# Allegro board balenaFin-PCB.brd (continued)
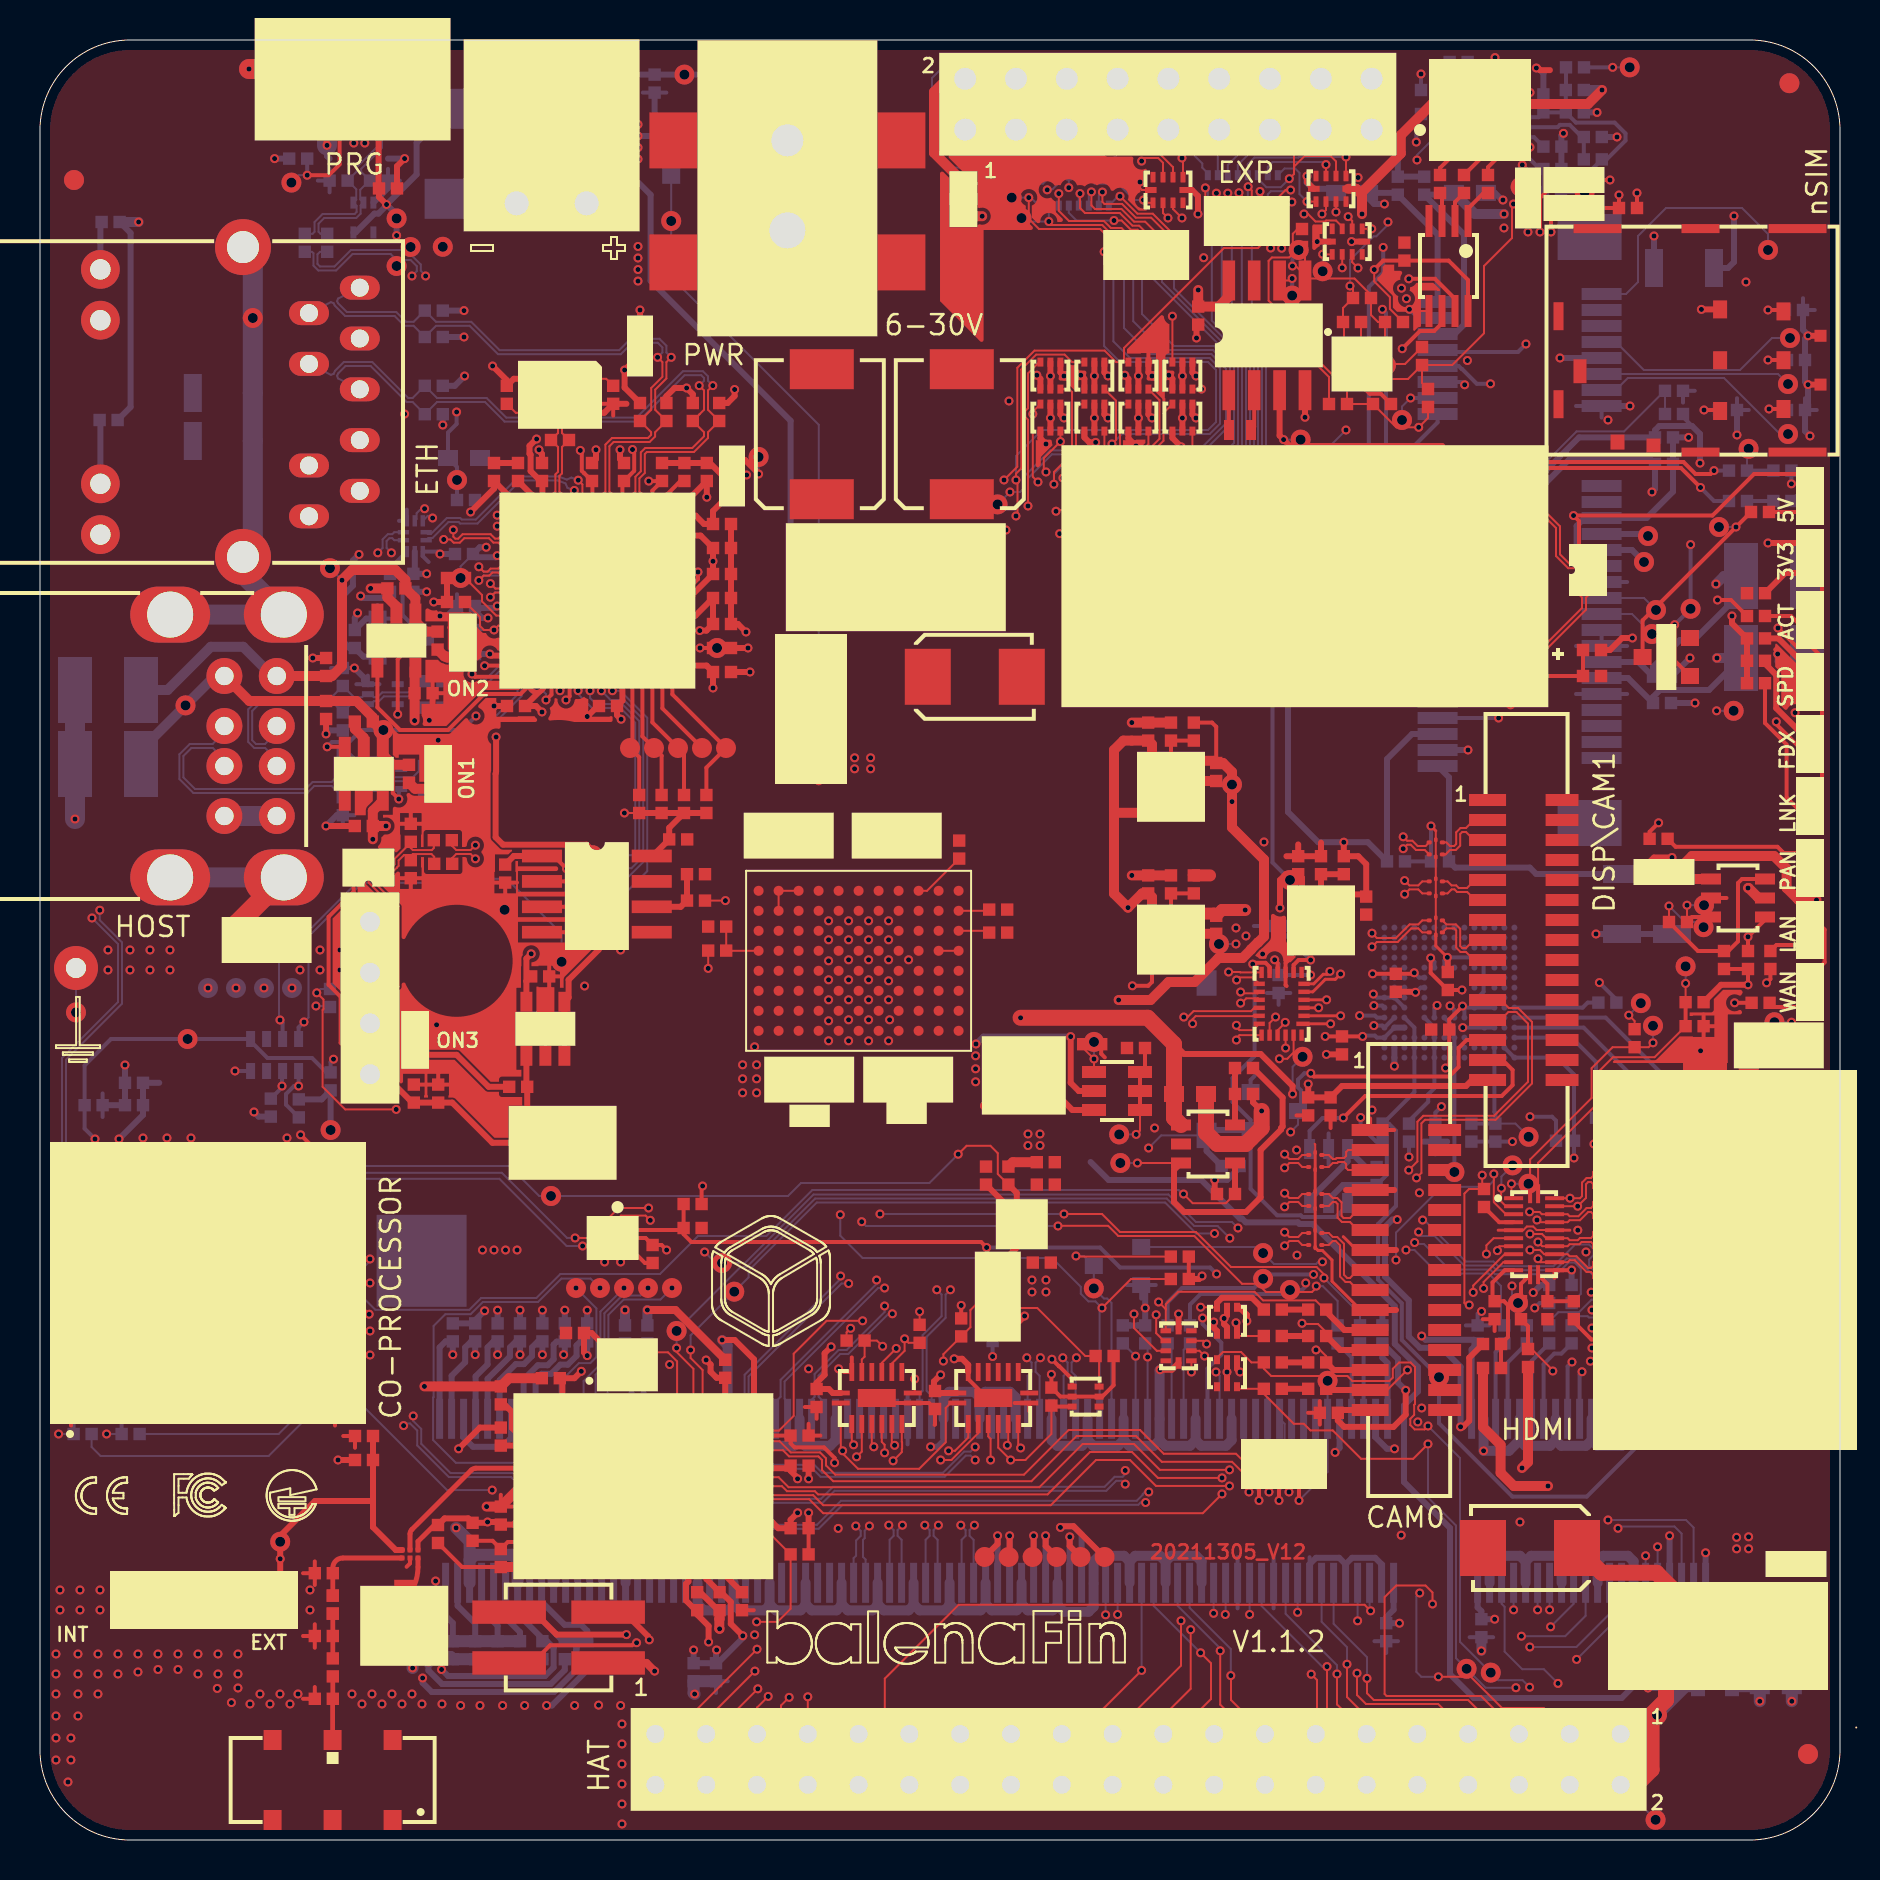
[diagram p0: board, top side]
## Routing (per net, layer and track width the routed paths; a pad name or vN(x,y) marks a point on that pad's centre or on a via; arc(x,y) is an arc through that point) (continued)
GPIO9: length 29.3
  TOP w0.1: v1(57.05,10.96) 57.05,8.72 J18.21
  INT1 w0.1: v1(74.88,11.51) 74.88,12.55 74.13,13.3 58.22,13.3 57.05,12.13 v1(57.05,10.96)
  BOTTOM w0.1: v1(74.88,11.51) J2.29
GPIO10: length 26.6
  TOP w0.1: v1(57.53,10.52) 57.53,7.56 56.17,6.2 J18.19
  INT1 w0.1: v1(57.53,10.52) 57.53,12.33 58.3,13.1 72.99,13.1 73.68,12.41 v1(73.68,11.51)
  BOTTOM w0.1: J2.33 v1(73.68,11.51)
GPIO11: length 33
  INT2 w0.1: v1(75.9,7.83) 75.9,7.22 75.38,6.7 52.49,6.7 J18.23
  BOTTOM w0.1: J2.35 73.08,11.81 73.23,11.66 73.23,9.42 74.11,8.54 75.19,8.54 v1(75.9,7.83)
GPIO12: length 33.2
  TOP w0.1: v1(66.53,11.46) 66.23,11.76 45.93,11.76 42.24,8.07 42.24,4.07 J18.32
  BOTTOM w0.1: v1(66.53,11.46) 66.48,11.51 J2.45
GPIO13: length 32.8
  TOP w0.1: v1(38.39,7.16) J18.33
  INT2 w0.1: v1(38.39,7.16) 41.17,9.94 64.44,9.94 65.45,10.96 v1(65.88,10.96)
  BOTTOM w0.1: J2.47 v1(65.88,10.96)
GPIO14: length 16.6
  TOP w0.1: J18.8 72.61,3.96 72.61,5.8 71.41,7 66.69,7 66.35,7.34 v1(66.35,8.08)
  BOTTOM w0.1: v1(66.35,8.08) 66.35,9.14 64.68,10.81 J2.51
GPIO15: length 12.6
  TOP w0.1: J18.10 67.62,4.01 67.62,5.78 66.85,6.55 65.95,6.55 65.35,7.15 v1(65.35,8.79)
  BOTTOM w0.1: J2.53 64.08,10.91 65.35,9.64 v1(65.35,8.79)
GPIO16: length 33.7
  TOP w0.1: J18.36 37.05,3.96 37.05,6.73 v1(37.46,7.13)
  INT2 w0.1: v1(62.88,11.39) 61.76,11.39 60.51,10.14 40.47,10.14 v1(37.46,7.13)
  BOTTOM w0.1: v1(62.88,11.39) J2.57
GPIO17: length 9.2
  TOP w0.1: J18.11 64.85,6.78 v1(64.85,8.3)
  BOTTOM w0.1: v1(64.85,8.3) 64.85,8.74 62.28,11.31 J2.59
GPIO18: length 12.4
  TOP w0.1: v1(64.35,8.67) 64.35,6.51 65.04,5.82 65.04,4.05 J18.12
  BOTTOM w0.1: J2.63 61.08,11.7 64.11,8.67 v1(64.35,8.67)
GPIO19: length 29.9
  TOP w0.1: J18.35 35.85,6.62 v1(36.41,7.18)
  INT2 w0.1: v1(36.41,7.18) 39.79,10.56 54.41,10.56 55.19,11.34 57.24,11.34 57.82,10.76 59.97,10.76 v1(60.48,11.28)
  BOTTOM w0.1: J2.65 v1(60.48,11.28)
GPIO20: length 32.9
  TOP w0.1: J18.38 34.51,3.96 34.51,6.18 v1(35.89,7.56)
  INT2 w0.1: v1(59.27,11.28) 58.95,10.96 57.9,10.96 57.33,11.54 55.11,11.54 54.33,10.76 39.09,10.76 v1(35.89,7.56)
  BOTTOM w0.1: J2.69 59.28,11.29 v1(59.27,11.28)
GPIO21: length 35.1
  TOP w0.1: J18.40 32.11,4.1 32.11,5.8 v1(35.85,9.54)
  INT2 w0.1: v1(35.85,9.54) 38.54,12.22 52.46,12.22 52.94,12.7 56.59,12.7 57.95,11.34 v1(58.68,11.34)
  BOTTOM w0.1: J2.71 v1(58.68,11.34)
GPIO22: length 9.1
  TOP w0.1: J18.15 59.55,7 59.55,8.21 v1(59.54,8.22)
  BOTTOM w0.1: J2.75 57.48,11.61 59.54,9.55 v1(59.54,8.22)
GPIO23: length 11.9
  TOP w0.1: J18.16 60,4.01 60,5.78 59.01,6.77 v1(59.01,9.46)
  BOTTOM w0.1: v1(59.01,9.46) 59.01,9.58 56.88,11.71 J2.77
GPIO24: length 12.3
  TOP w0.1: v1(58.03,9.36) 58.55,8.84 58.55,7.05 57.46,5.96 57.46,4.01 J18.18
  BOTTOM w0.1: J2.81 55.68,11.71 v1(58.03,9.36)
GPIO25: length 11.8
  TOP w0.1: J18.22 52.34,4.05 52.34,5.74 v1(55.08,8.48)
  BOTTOM w0.1: J2.83 v1(55.08,8.48)
GPIO26: length 25.6
  TOP w0.1: J18.37 33.31,6.01 v1(35.75,8.45)
  INT2 w0.1: v1(35.75,8.45) 39.2,11.9 53.29,11.9 53.88,11.31 v1(53.88,11.28)
  BOTTOM w0.1: v1(53.88,11.28) J2.87
GPIO27: length 16.3
  TOP w0.1: J18.13 63.85,5.36 63.85,8 v1(63.56,8.29)
  INT1 w0.1: v1(63.56,8.29) 61.71,10.14 54.3,10.14 53.28,11.16 v1(53.28,11.26)
  BOTTOM w0.1: J2.89 v1(53.28,11.26)
HDMI_CEC: length 76.2
  TOP w0.1: R6.1 79.73,40.95 v1(79.44,41.24)
  INT2 w0.1: v1(79.44,41.24) 79.44,37.14 76.78,34.48 76.54,34.48 76.33,34.26 76.33,34.03 71.79,29.49 71.79,28.09 70.2,26.5 70.2,18.2 65.1,13.1 52.78,13.1 52.3,12.62 32.08,12.62 29.14,15.57 v1(29.12,15.57)
  BOTTOM w0.1: J2.171 28.68,15.12 29.12,15.55 v1(29.12,15.57) ; v1(79.44,41.24) v2(80.04,41.84)
HDMI_CEC_CON: length 10.4
  TOP w0.1: J1.13 77.67,27.5 v1(77.56,27.39) ; U1.6 72.68,30.09 72.32,29.73 v1(72.32,29.3)
  INT2 w0.1: v1(77.56,27.39) 75.61,27.39 73.16,29.84 72.61,29.84 72.32,29.55 v1(72.32,29.3)
HDMI_CK+: length 49.4
  TOP w0.1: J1.10 77.75,29 77.65,28.9 77.65,28.7 77.55,28.6 77.41,28.6 76.82,29.19 76.48,29.19 76.38,29.29 U1.15 75.21,29.29 75,29.5 v1(74.5,29.5)
  INT1 w0.1: v1(74.5,29.5) 74.23,29.25 74.22,28.99 73.83,28.6 71.1,28.6 67.15,24.65 67.15,17.08 64.29,14.22 54.02,14.22 51.58,16.66 46.73,16.66 46.28,16.21 46.28,15.98 v1(46.04,15.74)
  BOTTOM w0.1: v1(46.04,15.74) 46.28,15.5 46.28,15.21 46.08,15.01 J2.113
HDMI_CK-: length 48.9
  TOP w0.1: v1(74.9,29.07) 74.9,28.99 75,28.89 U1.14 76.38,28.89 76.48,28.99 76.74,28.99 77.33,28.4 77.55,28.4 77.65,28.3 77.65,28.1 77.75,28 J1.12
  INT1 w0.1: v1(74.9,29.07) 74.63,28.82 74.35,28.83 74.34,28.83 73.91,28.4 71.18,28.4 67.35,24.57 67.35,17 64.37,14.02 53.94,14.02 51.5,16.46 46.82,16.46 46.48,16.12 46.48,15.98 v1(46.72,15.74)
  BOTTOM w0.1: v1(46.72,15.74) 46.48,15.5 46.48,15.21 46.68,15.01 J2.111
HDMI_D0+: length 51.6
  TOP w0.1: J1.7 77.75,30.5 77.65,30.4 77.65,30.2 77.55,30.1 77,30.1 76.89,29.99 76.48,29.99 76.38,30.09 U1.17 75.31,30.09 75.1,30.3 v1(74.5,30.3)
  INT1 w0.1: v1(74.5,30.3) 74.4,30.4 72,30.4 66.54,24.94 66.54,17.41 63.97,14.84 54.27,14.84 51.82,17.29 44.99,17.29 44.48,16.78 44.48,15.98 v1(44.24,15.74)
  BOTTOM w0.1: J2.119 44.28,15.01 44.48,15.21 44.48,15.5 v1(44.24,15.74)
HDMI_D0-: length 51.4
  TOP w0.1: v1(74.9,29.9) 75.11,29.69 U1.16 76.38,29.69 76.48,29.79 76.97,29.79 77.08,29.9 77.55,29.9 77.65,29.8 77.65,29.6 77.75,29.5 J1.9
  INT1 w0.1: v1(44.92,15.74) 44.68,15.98 44.68,16.7 45.07,17.09 51.74,17.09 54.19,14.64 64.05,14.64 66.74,17.33 66.74,24.86 72.08,30.2 74.07,30.2 74.34,29.93 74.36,29.93 74.38,29.9 v1(74.9,29.9)
  BOTTOM w0.1: v1(44.92,15.74) 44.68,15.5 44.68,15.21 44.88,15.01 J2.117
HDMI_D1+: length 54
  TOP w0.1: J1.4 77.75,32 77.65,31.9 77.65,31.7 77.55,31.6 77.33,31.6 76.92,31.19 76.48,31.19 76.38,31.29 U1.20 75.09,31.29 74.98,31.4 74.49,31.4 v1(74.48,31.41)
  INT1 w0.1: v1(74.48,31.41) 74.48,31.26 74.38,31.16 71.86,31.16 65.9,25.2 65.9,17.8 63.55,15.45 54.53,15.45 52.06,17.92 43.72,17.92 42.68,16.88 42.68,15.98 v1(42.44,15.74)
  BOTTOM w0.1: J2.125 42.48,15.01 42.68,15.21 42.68,15.5 v1(42.44,15.74)
HDMI_D1-: length 53.5
  TOP w0.1: v1(74.85,31) 74.85,31 74.96,30.89 U1.19 76.38,30.89 76.48,30.99 77,30.99 77.41,31.4 77.55,31.4 77.65,31.3 77.65,31.1 77.75,31 J1.6
  INT1 w0.1: v1(74.85,31) 74.81,30.96 71.94,30.96 66.1,25.12 66.1,17.72 63.63,15.25 54.45,15.25 51.98,17.72 43.8,17.72 42.88,16.8 42.88,15.98 v1(43.12,15.74)
  BOTTOM w0.1: J2.123 43.08,15.01 42.88,15.21 42.88,15.5 v1(43.12,15.74)
HDMI_D2+: length 57
  TOP w0.1: U1.22 v1(76.5,32.09) 77,32.09 77.1,32.19 77.1,32.87 77.33,33.1 77.55,33.1 77.65,33.2 77.65,33.4 77.75,33.5 J1.1
  INT1 w0.1: v1(76.5,32.09) 76.13,32.09 76.03,31.99 71.79,31.99 65.22,25.42 65.22,18.12 63.16,16.06 54.8,16.06 52.31,18.55 43.07,18.55 41,16.48 41,15.91 v1(40.79,15.7)
  BOTTOM w0.1: J2.131 40.68,14.09 40.8,14.22 40.8,14.98 41.03,15.2 41.03,15.46 v1(40.79,15.7)
HDMI_D2-: length 57.1
  TOP w0.1: J1.3 77.75,32.5 77.65,32.6 77.65,32.8 77.55,32.9 77.41,32.9 77.3,32.79 77.3,32.11 v1(76.88,31.69) U1.21
  INT1 w0.1: v1(41.47,15.7) 41.24,15.93 41.24,16.15 41.2,16.19 41.2,16.4 43.15,18.35 52.23,18.35 54.72,15.86 63.24,15.86 65.42,18.04 65.42,25.34 71.87,31.79 76.03,31.79 76.13,31.69 v1(76.88,31.69)
  BOTTOM w0.1: v1(41.47,15.7) 41.23,15.46 41.23,15.09 41.15,15.01 41.15,14.15 41.28,14.02 J2.129
HDMI_HPD: length 23.8
  TOP w0.1: U1.3 73.29,31.29 72.69,31.89 v1(72.69,33.3)
  INT1 w0.1: v1(64.12,28.91) 64.19,28.91 64.5,28.6 67.5,28.6 67.8,28.9 v1(67.8,29)
  BOTTOM w0.1: v1(72.69,33.3) 72.69,32.97 72.38,32.66 70.09,32.66 67.8,30.37 v1(67.8,29) ; v1(64.12,28.91) 63.91,28.91 63.8,28.8 61.7,28.8 v2(61.15,29.35) 60.85,29.65 Q1.1
HDMI_HPD_CON: length 11.1
  TOP w0.1: U1.9 73.17,28.89 72.18,27.9 v1(72.18,27.58) ; v1(77.52,23.94) 78.08,24.5 J1.19
  INT2 w0.1: v1(72.18,27.58) 72.7,27.58 75.88,24.4 77.06,24.4 v1(77.52,23.94)
HDMI_LS_OE: length 75.1
  TOP w0.1: v1(71.46,26.75) 71.32,26.75 71.22,26.85 71.22,32.32 71.45,32.55 R13.1 72.11,32.64 v1(72.11,33.24) ; v1(75.64,23.45) 75.64,23.49 74.58,24.55 R245.2
  TOP w0.2: R16.1 74.4,25.69 R245.2
  INT1 w0.1: v1(68.85,84) 68.85,82.88 67.03,81.06 67.03,80.74 67.24,80.53 67.78,80.53 71.37,76.93 v1(71.37,73.97)
  INT2 w0.1: v1(71.46,26.75) 71.49,26.75 71.7,26.96 72.4,26.96 75.64,23.72 v1(75.64,23.45) ; v1(71.37,73.97) 71.92,73.43 71.92,72.03 73.9,70.05 73.9,65.4 72.11,63.61 v1(72.11,33.24)
  BOTTOM w0.1: v1(68.85,84) 68.85,84.25 69.74,85.14 U25.5
HDMI_SCL: length 68.9
  TOP w0.1: v1(73.57,32.81) 73.57,32.19 73.67,32.09 U1.1
  INT2 w0.1: v1(27.28,15.57) 27.71,16 28.38,16 29.16,16.78 29.94,16.78 30.33,16.39 30.33,15.29 32.59,13.02 52.13,13.02 52.61,13.5 64.93,13.5 69.8,18.37 69.8,26.67 71.38,28.25 71.38,32.18 71.39,32.19 71.39,32.27 71.9,32.79 72.74,32.79 72.91,32.96 73.42,32.96 v1(73.57,32.81)
  BOTTOM w0.1: v2(74.42,32.81) v1(73.57,32.81) ; J2.175 27.48,15.35 27.28,15.55 v1(27.28,15.57)
HDMI_SCL_CON: length 8.7
  TOP w0.1: v1(72.87,29.47) 72.87,29.59 72.97,29.69 U1.7 ; J1.15 v1(77.6,26.5)
  INT2 w0.1: v1(72.87,29.47) 73.25,29.47 75.53,27.19 76.91,27.19 v1(77.6,26.5)
HDMI_SDA: length 68.4
  TOP w0.1: U1.2 73.29,31.69 73.06,31.93 73.06,32.57 v1(73.07,32.59)
  INT2 w0.1: v1(28.2,15.57) 28.23,15.57 29.24,16.57 29.86,16.57 30.12,16.31 30.12,15.21 32.51,12.82 52.22,12.82 52.69,13.3 65.02,13.3 70,18.28 70,26.58 71.59,28.17 71.59,32.19 71.99,32.59 v1(73.07,32.59)
  BOTTOM w0.1: v2(73.63,33.73) 73.07,33.17 v1(73.07,32.59) ; v1(28.2,15.57) 28.08,15.45 J2.173
HDMI_SDA_CON: length 18.8
  TOP w0.1: v1(71.66,27.38) 71.66,27.72 73.23,29.29 U1.8 ; J1.16 81.17,26 81.47,25.7 81.47,24.21 81.05,23.79 80.26,23.79 v1(79.98,23.51)
  INT2 w0.1: v1(79.98,23.51) 79.51,23.04 76.6,23.04 72.48,27.16 71.88,27.16 v1(71.66,27.38)
I2C0_SCL: length 83.9
  TOP w0.1: DS5.6 58.85,24.1 59.15,24.4 60.05,24.4 60.57,23.88 R86.2 61.19,23.57 61.56,23.2 65.37,23.2 65.62,22.95 67.47,22.95 67.64,23.12 67.64,23.56 67.95,23.88 68.53,23.88 68.75,23.66 68.75,21.8 68.71,21.76 68.71,21.25 68.51,21.06 68.51,20.75 68.73,20.53 69.23,20.53 v1(69.4,20.7)
  INT1 w0.1: v1(78.9,15.59) 78.28,15.59 77.17,16.7 71.64,16.7 69.03,19.31 69.03,20.33 v1(69.4,20.7)
  INT2 w0.1: J18.28 47.35,4.1 47.35,5.8 48.65,7.1 73.94,7.1 v1(74.48,7.64)
  BOTTOM w0.1: v1(78.9,15.59) 78.99,15.68 81.72,15.68 82.08,15.32 J2.5 82.08,11.7 R4.1 ; v1(74.48,7.64) 74.13,7.99 72.92,7.99 v2(72.54,8.37) 71,9.91 71,19.1 v1(69.4,20.7)
I2C0_SDA: length 75.6
  TOP w0.1: v1(69.4,19.8) 68.66,19.06 66.06,19.06 64.64,20.48 63.52,20.48 63.19,20.81 62.69,20.81 62.15,21.35 61.19,22.31 R88.2 59.95,22.56 DS5.3
  INT1 w0.1: v1(69.4,19.8) 69.4,19.22 71.72,16.9 77.25,16.9 78.15,16 v1(78.4,16)
  INT2 w0.1: J18.27 48.01,7.3 73.48,7.3 v1(73.8,7.61)
  BOTTOM w0.1: v1(78.4,16) 82.3,16 82.68,15.62 J2.3 82.68,12.07 83.71,11.04 R5.1 ; v1(69.4,19.8) 69.4,17.12 70.8,15.72 70.8,9.09 v2(71.33,8.56) 72.28,7.61 v1(73.8,7.61)
I2C1_SCL: length 137.1
  TOP w0.1: J18.5 72.05,7.2 67.33,7.2 67.23,7.3 67.23,12.14 67.81,12.73 69.28,12.73 69.62,12.38 v1(69.62,11.8) ; R284.2 64.45,73.15 62.8,74.8 v1(61.7,74.8)
  INT1 w0.1: v1(68.08,77.59) 66.81,77.59 66.15,76.93 61.81,76.93 v1(61.18,76.3) 61.18,75.32 v1(61.7,74.8)
  INT2 w0.1: v1(69.62,11.8) 71.22,13.4 78.47,13.4 79.28,14.21 v1(80.28,14.21) 82.03,12.46 84.86,12.46 88.2,15.8 88.2,15.97 88.2,51.4 88.7,51.9 88.7,56.67 87.99,57.39 87.99,66.42 88.61,67.04 88.61,67.39 88.19,67.81 v1(87.57,67.81)
  INT2 w0.2: v1(68.08,77.59) 68.53,77.59 69.87,76.25 77.35,76.25 80.86,72.74 80.86,69.2 82.25,67.81 82.61,67.81 82.85,68.05 83.2,68.05 83.44,67.81 v1(87.57,67.81)
  BOTTOM w0.1: v1(80.28,14.21) J2.11 80.28,12.4 80.5,12.18 80.5,11.44 R1.1
  BOTTOM w0.2: R143.2 v1(87.57,67.81) ; v2(62.55,74.8) v1(61.7,74.8)
I2C1_SCL_EXT: length 3.3
  TOP w0.1: v1(64.1,81.3) 64.3,81.5 TVS18.7
  INT1 w0.1: v1(65.9,83.13) 64.1,81.32 v1(64.1,81.3)
I2C1_SDA: length 131.7
  TOP w0.1: v1(61.8,76.1) 61.8,76.6 61.43,76.97 61.43,78.96 61.6,79.13 62.46,79.13 62.64,79.31 62.64,80.31 62.88,80.55 R285.1 ; v1(69.92,8.16) 71.54,8.16 73.1,6.6 75.19,6.6 J18.3
  INT1 w0.1: v1(68.32,77.06) 66.56,77.06 66.23,76.73 62.43,76.73 v1(61.8,76.1)
  INT2 w0.1: v1(88.23,67.2) 87.79,66.75 87.79,57.3 88.5,56.59 88.5,51.98 88,51.48 88,15.88 85.18,13.06 82.48,13.06 v1(80.88,14.66) 79.03,14.66 77.97,13.6 71.1,13.6 69.85,12.35 v1(68.98,12.35)
  INT2 w0.2: v1(88.23,67.2) 82.44,67.2 80.56,69.08 80.56,72.62 77.23,75.95 69.75,75.95 68.64,77.06 v1(68.32,77.06)
  BOTTOM w0.1: v1(69.92,8.16) 69.06,8.16 68.82,8.41 68.82,12.18 v1(68.98,12.35) ; v1(80.88,14.66) J2.9 80.88,11.3 R3.1
  BOTTOM w0.2: v2(62.65,75.99) 62.6,75.99 62.49,76.1 v1(61.8,76.1) ; R145.2 87.82,67.2 v1(88.23,67.2)
I2C1_SDA_EXT: length 0.5
  TOP w0.1: TVS18.8 v1(64.8,81.4)
JTCK: length 8.1
  BOTTOM w0.1: J2.180 25.98,22.88 26.95,23.84 27.52,23.84 27.82,24.15 27.82,26.58 v1(26.8,27.6)
JTDI: length 8.2
  BOTTOM w0.1: J2.174 27.78,23.27 28.22,23.71 28.22,26.34 29.11,27.23 30.02,27.23 v1(30.4,27.6)
JTDO: length 24.4
  BOTTOM w0.1: J2.178 26.58,19.51 25.93,18.86 20.79,18.86 19.66,20 19.66,22.12 19.68,22.15 19.68,25.7 20.27,26.29 21.53,26.29 22.14,26.9 24.9,26.9 26.07,28.07 27.53,28.07 v1(28,27.6)
JTMS: length 7.4
  BOTTOM w0.1: v1(29.2,27.6) 28.02,26.42 28.02,23.79 27.18,22.95 J2.176
LED-B: length 1.4
  TOP w0.2: U30.3 70.1,82.25 R123.2
LED-G: length 1.6
  TOP w0.2: U30.2 70.75,81.9 R121.2
LED-R: length 1.9
  TOP w0.2: R119.2 72.18,82.35 71.4,81.57 U30.1
LED_LINK: length 138.5
  TOP w0.2: v1(26,57.46) 26.12,57.58 U22.21 ; LD12.1 89.1,53.05 89.1,59.13 88.58,59.65 87.85,59.65 v1(86.9,60.6)
  INT1 w0.1: v1(26,57.46) 26.38,57.85 30.37,57.85 33.44,54.78 44.19,54.78 48.69,59.27 65.1,59.27 69.46,63.63 85.35,63.63 86.9,62.08 v1(86.9,60.6)
  INT4 w0.1: v1(26,57.46) 24.19,57.46 18.63,51.9 18.63,51.04 13.19,45.6 4.53,45.6 3.56,46.57 3.56,46.73 3.02,47.27 3.02,63.15 4.33,64.46 4.33,74.68 J20.12
  BOTTOM w0.1: v2(26.2,58.32) 26,58.12 v1(26,57.46)
LED_SPEED: length 122.5
  TOP w0.2: U22.22 26.62,57.92 26.48,57.78 26.48,57.18 v1(26.3,57) ; LD13.1 87.76,56.41 v1(87.76,56.37)
  INT1 w0.1: v1(87.76,56.37) 85.67,58.45 85.67,62.23 84.47,63.43 69.54,63.43 65.19,59.08 48.78,59.08 44.28,54.58 33.36,54.58 30.93,57 v1(26.3,57)
  INT4 w0.1: v1(26.3,57) 25.3,56 23.01,56 18.83,51.82 18.83,50.96 13.27,45.4 4.45,45.4 3.36,46.48 3.36,46.64 2.82,47.19 2.82,51 1.53,52.29 1.53,63.78 J20.14
MCU-GPIO0: length 128.1
  TOP w0.1: RR13.5 55.56,78.64 55.1,79.1 v1(55.1,79.43) ; v1(52.4,65.4) 52.4,65.9 55.78,69.28 57.22,69.28 57.62,69.69 DS7.3
  TOP w0.2: MOD2.3 v1(3.95,23.8)
  INT1 w0.1: v1(56.7,68.12) 56.7,66.7 56.1,66.1 53.37,66.1 52.67,65.4 v1(52.4,65.4)
  INT2 w0.1: v1(52.4,65.4) 51.88,65.4 51.18,64.7 50.15,64.7 38.5,53.05 38.5,32.52 37.5,31.52 37.5,22.78 36.22,21.5 28.12,21.5 26.65,20.03 26.65,16.83 23.32,13.5 13.43,13.5 3.95,22.98 v1(3.95,23.8)
  BOTTOM w0.1: v1(55.1,79.43) 55.1,76.3 56.7,74.7 58.73,74.7 59.7,73.73 59.7,69.85 57.8,67.95 56.88,67.95 v1(56.7,68.12) ; v2(3.95,22.95) v1(3.95,23.8)
MCU-GPIO0_EXT: length 20
  TOP w0.1: v1(56.4,81.1) 56.15,81.35 TVS6.7
  INT1 w0.1: v1(56.4,81.1) 55.48,81.1 54.58,82.01 54.58,82.43 53.63,83.37 53.43,83.37 53.42,83.38 48.41,83.38 J14.1
  BOTTOM w0.1: J14.1 47.76,84.02 51.65,84.02 51.94,83.73 RR14.13
MCU-GPIO1: length 123.9
  TOP w0.1: 56.62,71.8 56.17,71.35 56.17,69.96 52.71,66.5 50.86,66.5 v1(50.8,66.44) ; v1(55.62,79.12) 55.62,79.08 56.06,78.64 RR13.6
  TOP w0.2: MOD2.7 v1(8.75,23.8)
  INT1 w0.1: v1(50.8,66.44) 52.86,66.44 53.57,67.15 56,67.15 56.1,67.25 v1(56.1,67.93)
  INT2 w0.1: v1(50.8,66.44) 50.8,66.2 37.9,53.3 37.9,32.77 36.9,31.77 36.9,23.03 35.97,22.1 27.87,22.1 26.05,20.28 26.05,17.08 23.07,14.1 13.68,14.1 8.75,19.03 v1(8.75,23.8)
  BOTTOM w0.1: v1(56.1,67.93) 56.28,67.75 57.88,67.75 59.9,69.77 59.9,73.81 55.62,78.1 v1(55.62,79.12) ; v2(8.75,24.65) v1(8.75,23.8)
MCU-GPIO1_EXT: length 8.8
  TOP w0.1: TVS6.6 55.31,81.86 v1(55.17,82)
  BOTTOM w0.1: v1(55.17,82) 54.72,82 53.9,82.82 52.73,82.82 52.44,83.11 RR14.14 52.44,83.86 52.08,84.22 50.1,84.22 J14.3
MCU-GPIO2: length 120.5
  TOP w0.1: v1(52.11,67.28) 52.91,67.28 55.42,69.79 DS8.3 ; v1(56.1,79.43) 56.1,79.13 56.56,78.68 RR13.7
  TOP w0.2: MOD2.8 v1(9.95,23.8)
  INT1 w0.1: v1(52.11,67.28) 52.79,67.28 53.31,67.8 55.22,67.8 v1(55.3,67.72)
  INT2 w0.1: v1(9.95,23.8) 9.95,18.11 13.76,14.3 22.99,14.3 25.85,17.16 25.85,20.36 27.79,22.3 35.89,22.3 36.7,23.11 36.7,31.85 37.7,32.85 37.7,53.38 50.42,66.11 50.42,66.66 50.58,66.81 51.1,66.81 51.1,66.82 51.53,66.82 52,67.28 v1(52.11,67.28)
  BOTTOM w0.1: v1(56.1,79.43) 56.1,77.9 60.1,73.9 60.1,69.69 57.96,67.55 55.47,67.55 v1(55.3,67.72) ; v1(9.95,23.8) v2(9.95,25.27)
MCU-GPIO2_EXT: length 20.8
  TOP w0.1: TVS7.1 v1(66.59,80.56)
  INT2 w0.1: J14.5 52.56,84.3 54.9,84.3 54.92,84.32 55.28,84.32 57.9,81.7 60.6,81.7 61.8,80.5 65.02,80.5 65.08,80.56 v1(66.59,80.56)
  BOTTOM w0.1: RR14.15 52.94,83.92 J14.5
MCU-GPIO3: length 118.6
  TOP w0.1: 54.42,71.8 54.15,71.8 54,71.65 54,68.9 v1(53.41,68.31) 53.4,68.31 53.4,68.3 52.76,67.66 v1(52.63,67.66) ; RR13.8 57.06,78.94 v1(56.7,79.3)
  TOP w0.2: MOD2.9 v1(11.15,23.8)
  INT2 w0.1: v1(52.63,67.66) 51.95,67.66 51.31,67.02 51.02,67.02 51.02,67.01 50.5,67.01 50.23,66.74 50.23,66.19 37.5,53.47 37.5,32.93 36.5,31.93 36.5,23.2 35.8,22.5 27.7,22.5 25.65,20.45 25.65,17.25 22.9,14.5 13.85,14.5 11.15,17.2 v1(11.15,23.8)
  BOTTOM w0.1: v1(56.7,79.3) 56.7,77.58 60.3,73.98 60.3,69.6 58.05,67.35 54.12,67.35 53.41,68.06 v1(53.41,68.31) ; v2(11.15,24.65) v1(11.15,23.8)
MCU-GPIO3_EXT: length 16.9
  TOP w0.1: v1(65.41,81.17) 65.41,81.16 65.61,80.96 TVS7.2
  INT2 w0.1: v1(65.41,81.17) 64.94,80.7 61.88,80.7 60.68,81.9 57.98,81.9 54.36,85.52 J14.7
  BOTTOM w0.1: RR14.16 53.44,83.85 53.88,84.29 J14.7
MCU-GPIO4: length 118.8
  TOP w0.1: RR3.1 v1(58.59,80.8) ; DS9.3 53.22,68.72 52.94,68.44 51.94,68.44 51.7,68.2 v1(51.7,68.1)
  TOP w0.2: MOD2.10 v1(12.35,23.8)
  INT2 w0.1: v1(12.35,23.8) 12.35,16.28 13.93,14.7 22.82,14.7 25.45,17.33 25.45,20.53 27.62,22.7 35.72,22.7 36.3,23.28 36.3,32.02 37.3,33.02 37.3,53.55 50.03,66.28 50.03,66.82 50.42,67.21 50.93,67.21 50.94,67.22 51.23,67.22 51.69,67.68 51.69,68.1 v1(51.7,68.1)
  BOTTOM w0.1: v1(58.59,80.8) 58.59,75.97 60.5,74.06 60.5,69.52 58.13,67.15 54.03,67.15 52.95,68.23 51.83,68.23 v1(51.7,68.1) ; v1(12.35,23.8) v2(12.35,25.27)
MCU-GPIO4_EXT: length 14.3
  TOP w0.1: v1(63.2,81.3) 63.4,81.3 63.78,80.93 64.26,80.93 64.31,80.97 64.8,80.97 65.11,80.66 TVS7.3
  INT2 w0.1: v1(63.2,81.3) 62.66,81.3 61.5,82.46 61.5,83.1 60.4,84.2 57.74,84.2 J14.9
  BOTTOM w0.1: RR2.9 58.39,83.34 58.11,83.62 58.11,83.83 J14.9
MCU-GPIO5: length 119.3
  TOP w0.1: v1(51.15,68.1) 51.15,68.55 51.8,69.2 51.8,71.6 52,71.8 52.22,71.8 ; RR3.2 v1(59.09,81.08)
  TOP w0.2: MOD2.11 13.55,23.63 v1(13.38,23.8)
  INT2 w0.1: v1(13.38,23.8) 13.38,15.53 14.01,14.9 22.74,14.9 25.25,17.41 25.25,20.61 27.54,22.9 35.64,22.9 36.1,23.36 36.1,32.1 37.1,33.1 37.1,53.63 49.83,66.36 49.83,66.9 50.33,67.41 50.85,67.41 51.07,67.63 51.07,67.64 51.14,67.72 51.14,68.1 v1(51.15,68.1)
  BOTTOM w0.1: v2(13.38,22.9) v1(13.38,23.8) ; v1(59.09,81.08) 59.09,75.76 60.7,74.15 60.7,69.44 58.21,66.95 53.95,66.95 52.87,68.03 52.33,68.03 52,67.7 51.55,67.7 v1(51.15,68.1)
MCU-GPIO5_EXT: length 14.9
  TOP w0.1: TVS7.8 65.61,78.89 v1(65.9,78.6)
  INT1 w0.1: v1(65.9,78.6) 65.4,78.1 64.1,78.1 61.6,80.6 61.6,83.2 59.28,85.52 J14.11
  BOTTOM w0.1: RR2.10 58.89,84.22 58.96,84.29 J14.11
MCU-GPIO6: length 131.8
  TOP w0.1: MOD2.27 v1(6.35,35.1) ; RR3.3 v1(59.59,80.8) ; v1(50.3,68.4) 50.19,68.51 50.19,69.09 v1(51.02,69.92) DS10.3
  INT1 w0.1: v1(50.3,68.4) 50.3,66.41 50.64,66.06 52.76,66.06 53.65,66.95 54.86,66.95 55.23,66.58 v1(55.8,66.58)
  INT2 w0.1: v1(6.35,35.1) 5.95,35.1 5.85,35.2 5.85,40.03 5.11,40.77 5.11,45.84 1.13,49.82 1.13,71.15 4.08,74.1 8.61,74.1 15.31,80.8 19.39,80.8 22.33,77.86 22.33,75.05 22.93,74.45 28.93,74.45 29.98,75.5 36.53,75.5 37.98,74.05 47.27,74.05 49.2,72.12 49.2,71.21 49.68,70.72 50.22,70.72 v1(51.02,69.92)
  BOTTOM w0.1: v1(55.8,66.58) 58.12,66.58 60.9,69.35 60.9,74.23 59.59,75.54 v1(59.59,80.8) ; v1(6.35,35.1) v2(6.35,34.25)
MCU-GPIO6_EXT: length 13.1
  TOP w0.1: TVS7.7 v1(65.11,78.61)
  INT1 w0.1: v1(65.11,78.61) 63.99,78.61 61.8,80.8 61.8,85.22 J14.13
  BOTTOM w0.1: RR2.11 59.39,83.75 61.16,85.52 J14.13
MCU-GPIO7: length 132.5
  TOP w0.1: 50.02,71.8 49.64,71.41 v1(49.64,71.3) 49.64,68.16 v1(49.9,67.9) ; RR3.4 v1(60.09,81.09) ; MOD2.28 v1(5.15,35.1)
  INT1 w0.1: v1(54.7,66.58) 53.56,66.58 52.85,65.86 50.56,65.86 49.9,66.53 v1(49.9,67.9)
  INT2 w0.1: v1(5.15,35.1) 5.55,35.1 5.65,35.2 5.65,39.95 4.91,40.69 4.91,45.62 0.93,49.6 0.93,71.23 4,74.3 8.53,74.3 15.23,81 19.48,81 22.53,77.94 22.53,75.13 23.01,74.65 28.85,74.65 29.9,75.7 36.62,75.7 38.07,74.25 47.35,74.25 49.4,72.2 49.4,71.54 v1(49.64,71.3)
  BOTTOM w0.1: v1(5.15,35.1) v2(5.15,34.25) ; v1(60.09,81.09) 60.09,75.32 61.1,74.31 61.1,69.27 58.03,66.2 55.08,66.2 v1(54.7,66.58)
MCU-GPIO7_EXT: length 15.1
  TOP w0.1: v1(64.13,79.29) 64.14,79.28 TVS7.6
  INT1 w0.1: J14.15 63.72,85.52 62,83.8 62,81 63.71,79.29 v1(64.13,79.29)
  BOTTOM w0.1: v2(64.13,78.44) v1(64.13,79.29) ; RR2.12 59.89,83.75 60.46,84.32 62.84,84.32 J14.15
MCU-GPIO8: length 141.6
  TOP w0.1: v1(61.53,79.6) 61.59,79.66 RR3.7 ; DS25.3 v1(58.08,72.55)
  INT3 w0.1: v1(61.53,79.6) 58.73,76.8 58.73,73.2 v1(58.08,72.55) 46.6,72.55 42.33,76.82 42.33,86.02 41.25,87.1 25.71,87.1 19.81,81.2 15.11,81.2 8.41,74.5 3.91,74.5 0.75,71.34 0.75,49.56 4.03,46.28 4.03,42.42 3.43,41.82 3.43,34.18 5.83,31.78 5.83,22.8 v1(3.33,20.3)
  BOTTOM w0.1: R314.1 v1(3.33,20.3)
  BOTTOM w0.2: R313.2 R314.1
MCU-GPIO8_EXT: length 9.2
  TOP w0.1: TVS18.3 v1(64.3,83.77)
  INT3 w0.1: J14.16 65.24,86.86 65.24,84.71 v1(64.3,83.77)
  BOTTOM w0.1: RR2.15 61.39,83.66 61.63,83.9 64.17,83.9 v1(64.3,83.77)
MCU-GPIO9: length 144.1
  TOP w0.1: 56.62,73.9 v1(56.62,76.19) ; RR3.8 62.09,79.6 v1(62.08,79.59)
  INT3 w0.1: v1(62.08,79.59) 61.7,79.97 58.3,79.97 56.62,78.29 v1(56.62,76.19) 55.08,74.65 44.78,74.65 42.53,76.9 42.53,86.1 41.33,87.3 25.63,87.3 19.73,81.4 15.03,81.4 8.33,74.7 3.83,74.7 0.55,71.42 0.55,49.48 3.83,46.2 3.83,42.5 3.23,41.9 3.23,34.1 5.63,31.7 5.63,23.1 3.63,21.1 1.73,21.1 v1(0.93,20.3)
  BOTTOM w0.1: R315.2 v1(0.93,20.3)
  BOTTOM w0.2: R315.2 R312.2
MCU-GPIO9_EXT: length 10.8
  TOP w0.1: TVS18.6 v1(63.35,81.92)
  INT4 w0.1: v1(63.35,81.92) 63.35,82.12 64.73,83.5 64.73,84.11 65.38,84.76 65.38,86.86 J14.18
  BOTTOM w0.1: v1(63.35,81.92) 62.97,82.3 62.97,83.36 62.76,83.57 62.22,83.57 RR2.16
NRST: length 8.9
  BOTTOM w0.1: J2.172 28.38,23.58 28.42,23.62 28.42,26.25 29.19,27.02 31.02,27.02 v1(31.6,27.6)
PERST_MPCIE: length 1.6
  BOTTOM w0.2: U25.8 70.96,86.64 70.1,87.5 R250.2
PW_EN_LED: length 70.6
  TOP w0.2: Q16.1 86.25,46.01 v1(85.4,45.16) R273.1 ; Q13.1 81.73,58.97 v1(81.73,60.77)
  INT1 w0.2: v1(82.53,64.77) 82.55,64.77 87.54,69.76 87.54,76.77 84.21,80.1 83.06,80.1 79.36,83.8 74.7,83.8 74,84.5 74,86.17 75.38,87.55 75.38,88.64 74.8,89.22 72.85,89.22 v1(72.75,89.12)
  INT2 w0.2: v1(85.4,45.16) 81.73,45.16 79.63,47.26 79.63,56.23 81.73,58.34 v1(81.73,60.77)
  BOTTOM w0.2: v1(81.73,60.77) v2(82.53,61.56) v1(82.53,64.77) ; U25.10 72.41,88.78 v1(72.75,89.12)
PW_ON_3V3: length 48.3
  TOP w0.1: v1(45.91,34.29) 46.33,34.71 47.52,34.71 47.89,34.34 47.89,33.3 R180.1 ; MOD2.26 v1(7.55,35.1)
  TOP w0.3: U20.3 48.84,32.35 R180.1
  BOTTOM w0.1: v1(45.91,34.29) 44.47,32.85 38.05,32.85 37.4,32.2 v2(25.55,32.2) 24.96,32.2 23.46,33.7 7.68,33.7 7.55,33.83 v1(7.55,35.1)
PW_ON_5V: length 53.3
  TOP w0.1: R274.1 59.29,31.84 57.64,31.84 v1(57.17,32.3) ; MOD2.17 v1(16.5,29.05)
  TOP w0.3: Q17.1 R274.1
  BOTTOM w0.1: v1(57.17,32.3) 57.13,32.3 56.93,32.5 38.62,32.5 36.32,30.2 32.9,30.2 31,28.3 26.02,28.3 24.82,27.1 22.06,27.1 21.47,26.51 16.77,26.51 16.12,27.15 16.12,28.57 16.5,28.94 v1(16.5,29.05) v2(15.28,29.05)
RF_OUT_50OHM: length 8
  TOP w0.25: MOD1.N4 21.79,18.59 arc(21.67,18.57) 21.57,18.5 18.59,15.52 arc(18.52,15.42) 18.5,15.3 U26.5
RST_MCU: length 161.5
  TOP w0.2: MOD2.30 v1(2.75,35.05)
  INT1 w0.1: v1(48.45,71.95) 48.45,73.35 49.3,74.2 55,74.2 55.07,74.27 59.33,74.27 61.6,72 66.3,72 68.88,74.58 68.88,78.7 68.48,79.1 66.8,79.1 66.2,79.7 66.2,80.8 66.6,81.2 66.6,82.8 68.1,84.3 68.1,86.3 69.8,88 v1(69.8,88.8)
  INT2 w0.1: v1(48.45,71.95) 46.55,73.85 37.9,73.85 36.45,75.3 30.07,75.3 29.02,74.25 22.84,74.25 22.13,74.96 22.13,77.78 19.31,80.6 15.4,80.6 8.7,73.9 4.17,73.9 1.33,71.06 1.33,49.9 6,45.23 6,43.4 6.39,43.01 13.72,43.01 14.68,42.05 v1(14.68,39.04)
  BOTTOM w0.2: v1(2.75,35.05) 2.23,35.57 C91.1 2.23,38.73 3.55,40.05 v2(7.38,40.05) RR4.5 10.53,39.94 11.37,39.1 13.6,39.1 14.32,38.38 R118.1 14.53,38.9 v1(14.68,39.04) ; R311.1 69.9,88.9 v1(69.8,88.8)
SEL_CAM_DIS: length 95.3
  TOP w0.1: U32.1 40.04,19.55 v1(40.13,19.46) 40.13,19.33 40.9,18.56 43.96,18.56 45.28,19.88 45.28,21.6 45.53,21.85 U33.1
  TOP w0.2: v1(60.64,43.79) 60.7,43.86 61.28,43.86 61.48,43.66 U31.11
  INT4 w0.1: v1(60.64,43.79) 60.64,44.47 61.13,44.96 61.13,47.96 71.63,58.46 82.93,58.46 83.83,57.56 v1(83.83,56.46) ; v1(40.13,19.46) 40.13,23.23 42.48,25.58 46.41,25.58 53.63,32.8 53.63,33.36 54.87,34.6 v1(55.43,34.6)
  BOTTOM w0.1: DSW2.2 56.06,35.23 v1(55.43,34.6) ; v2(84.68,56.46) v1(83.83,56.46)
  BOTTOM w0.2: v1(60.64,43.79) 60.73,43.7 60.73,39.2 59.63,38.1 59.63,36.9 60.53,36 Q21.1 60.53,32.56 61.86,31.23 63.04,31.23 63.12,31.15 64.79,31.15 65.38,31.74 Q20.1